# Altium PCB wardriver-pcb.PcbDoc
Units mm, origin at the board's own origin, x right, y up, seen from the top; angles counter-clockwise.
Board outline 58.55 x 52.71 mm, 2 copper layers (Top Layer, Bottom Layer); 41 components, 37 nets, 185 pads, 58 vias.
Unrouted connection lines stored in the file: 2.
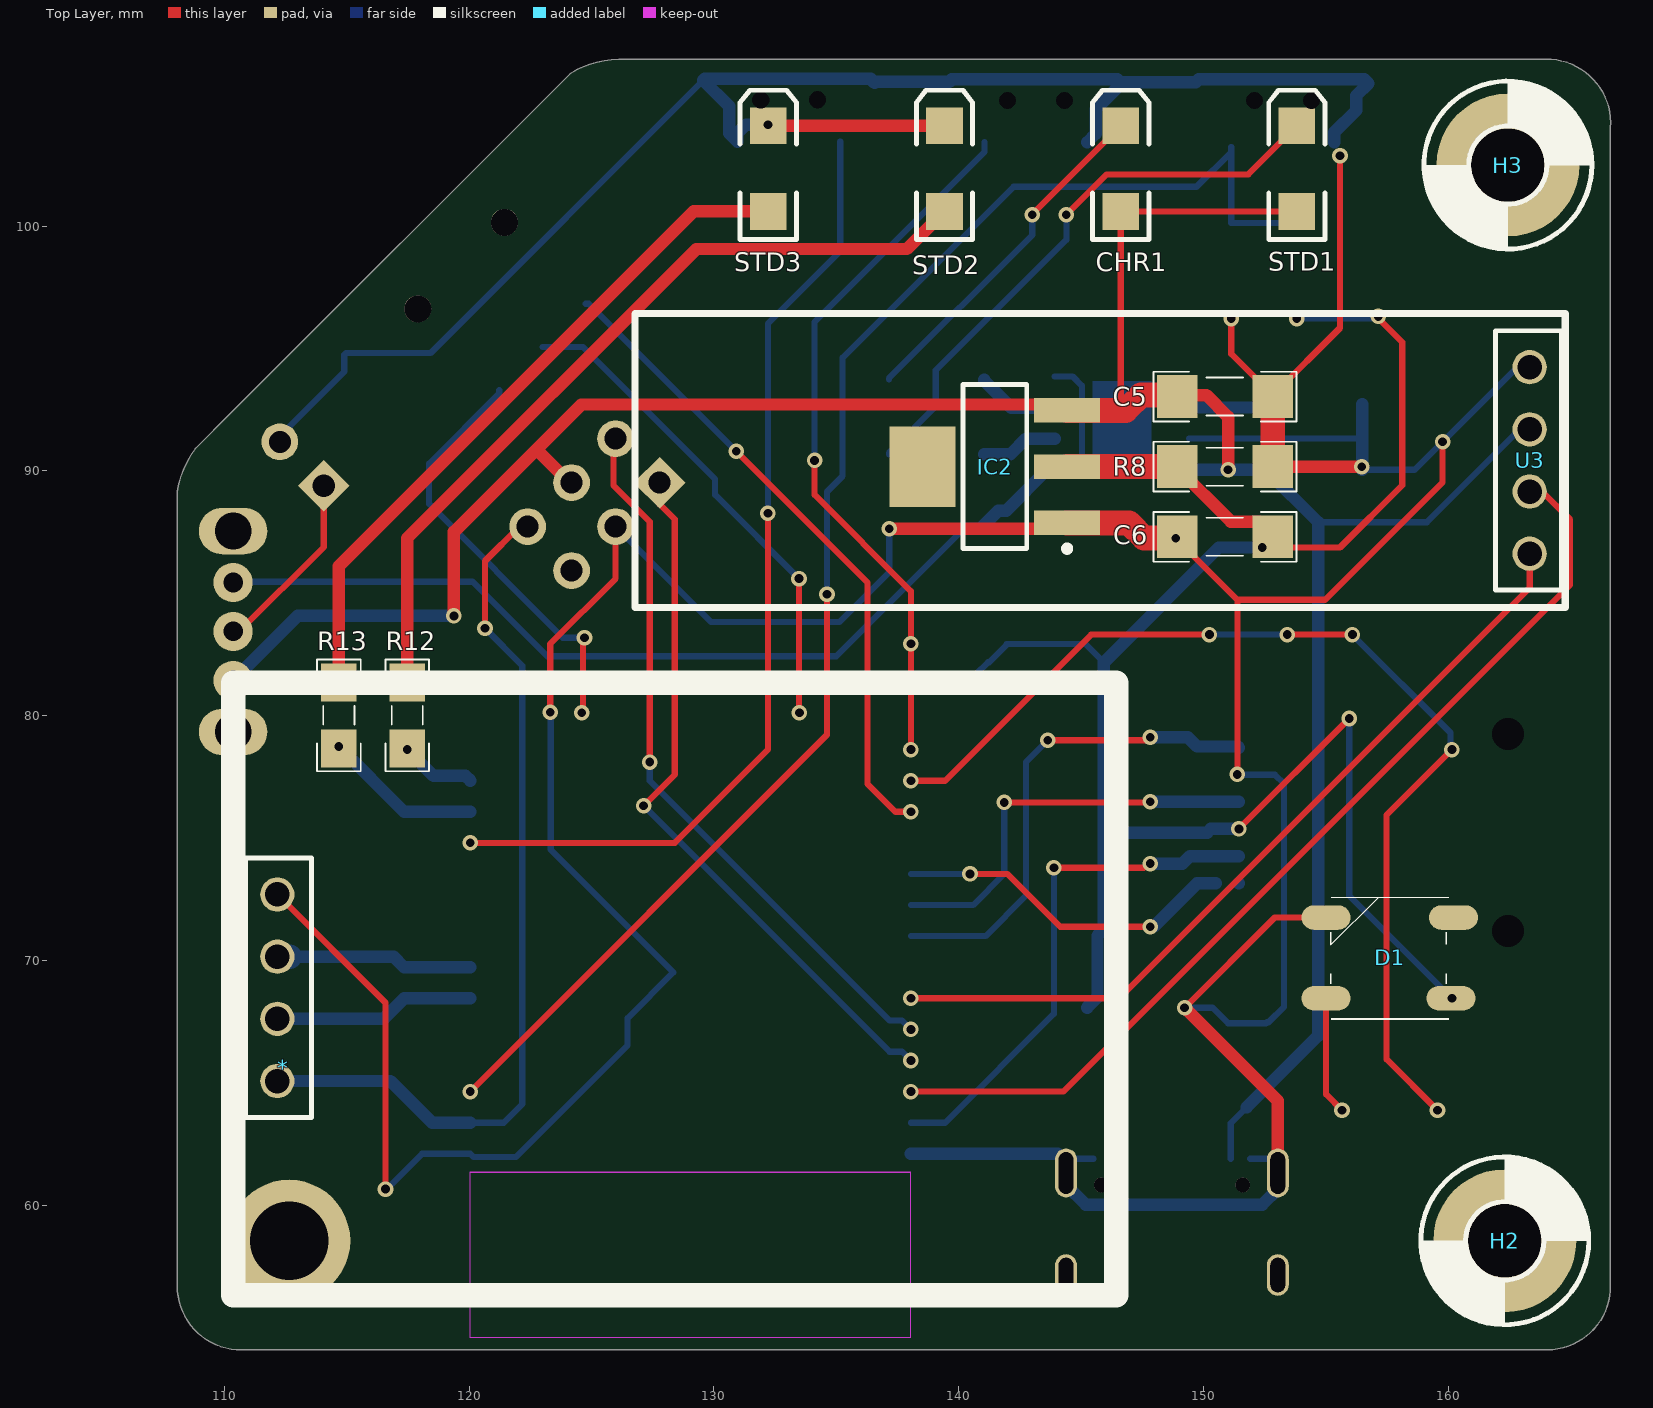
[diagram p0: Top Layer view]
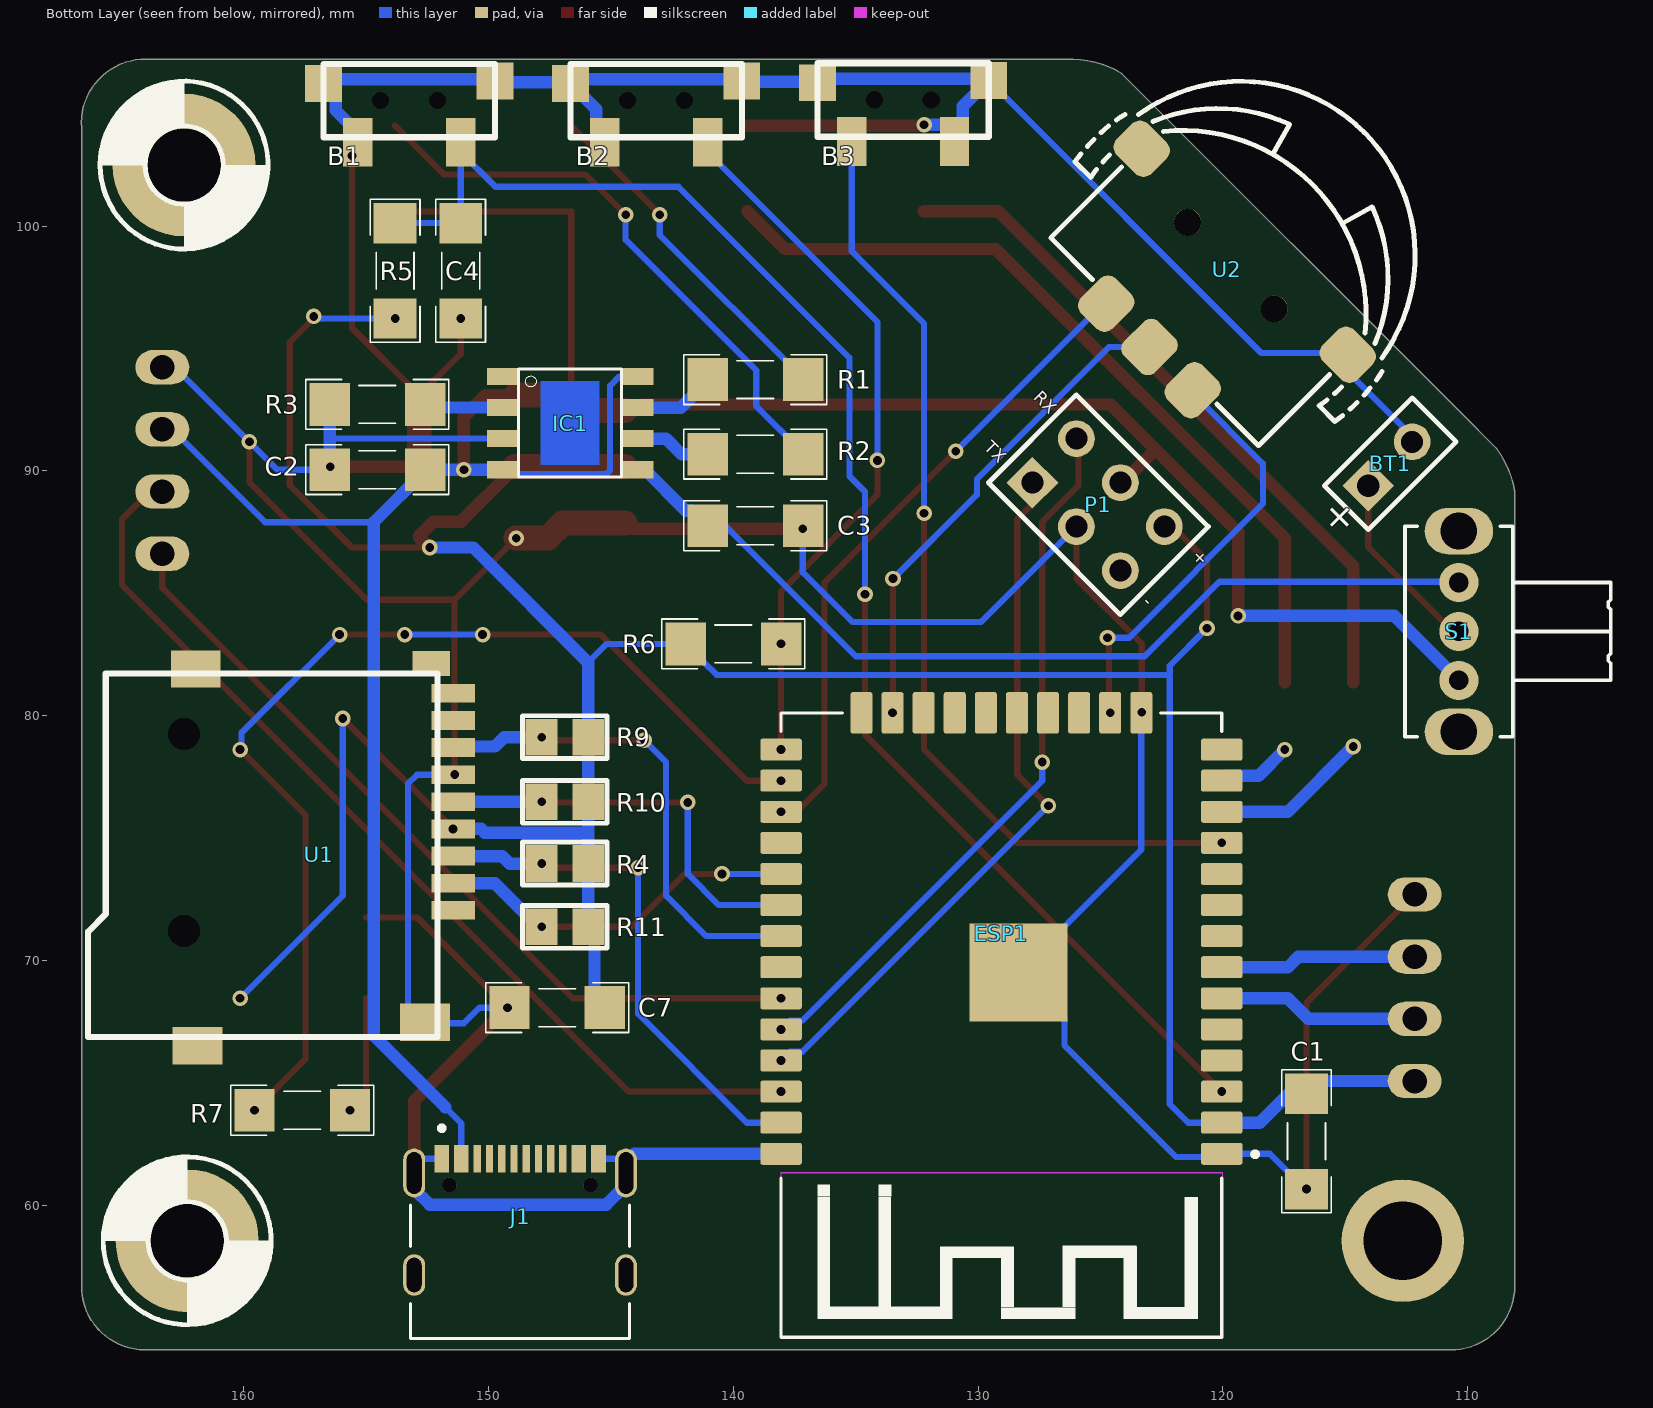
[diagram p1: Bottom Layer view, seen from below]

## Layer stack, top to bottom
Top Solder: solder mask 0.0102, Solder Resist, Dk 3.5
Top Layer: signal copper 0.0356
Dielectric 1: dielectric 0.32, FR-4, Dk 4.8
Bottom Layer: signal copper 0.0356
Bottom Solder: solder mask 0.0102, Solder Resist, Dk 3.5

## Board outline
108.076,56.896 108.076,89.154 cw(c112.125,88.474) 108.822,90.913 110.308,92.399 110.308,92.401 124.138,106.231 cw(c126.138,103.045) 126.11,106.807 126.138,106.807 164.211,106.807 cw(c164.021,104.203) 166.624,104.013 166.624,56.515 cw(c164.02,56.705) 163.83,54.102 110.496,54.102 cw(c110.687,56.705) 108.076,56.705

## Design rules (kind name [scope] priority, off if disabled: settings)
Clearance [All] p1: gap=0.254 ignorepadtopadclearanceinfootprint=FALSE except(0: Arc-Hole Track-Hole SMDPad-Hole THPad-Hole Via-Hole Fill-Hole Poly-Hole Region-Hole Text-Hole)
PolygonConnect [All] p1: connectstyle=Relief reliefconductorwidth=0.254 reliefentries=4 polygonreliefangle="90 Angle" airgapwidth=0.254
RoomDefinition wardriver-sch [InComponentClass('wardriver-sch')] p1: confinementstyle=ConfineIn formatcopy=TRUE lockcomponents=FALSE outline 0,0 50.8,0 50.8,25.4 0,25.4
RoutingVias [All] p1: holewidth=0.711 width=1.27 viastyle="Through Hole" minholewidth=0.711 minwidth=1.27 maxholewidth=0.711 maxwidth=1.27
SolderMaskExpansion [All] p1: expansion=0.102
Width [All] p1: maxlimit=1.016 minlimit=0.254 preferedwidth=0.508 minimp=50.000000 maximp=50.000000 favimp=50.000000
30 further rules are at their usual default settings.

## Components (designator, comment, footprint, x,y, rotation, side; value= is the part's Value field where it differs from the comment)
* "GPS_NEO-6M_MODULE" GPS_NEO-6M 112.169,65.075 r270 top locked
B1 "Button" "PUSH BUTTON SMD" 153.33,105.11 r90 bottom
B2 "Button" "PUSH BUTTON SMD" 143.245,105.11 r90 bottom
B3 "BUTTON" "PUSH BUTTON SMD" 133.16,105.136 r90 bottom
BT1 "Battery" Bat 119.183,70.621 r135 bottom
C1 "100nf" CAPC4817X12N 116.586,62.611 r90 bottom
C2 "0.1uF" CAPC4817X12N 154.539,90.047 r0 bottom
C3 "0.1uF" CAPC4817X12N 139.1,87.757 r180 bottom
C4 "100nf" CAPC4817X12N 151.135,98.171 r90 bottom
C5 "10uf" CAPC4817X12N 150.876,93.035 r180 top
C6 "10uf" CAPC4817X12N 150.876,87.305 r0 top
C7 "0.1uF" CAPC4817X12N 147.193,68.072 r0 bottom
CHR1 "Red" "LED SMD 1206" 146.617,102.347 r90 top
D1 "LED RGB WS2812" "LED 5050 WS2812B" 157.607,70.104 r180 top
ESP1 "ESP-WROOM-32" MODULE_ESP-WROOM-32 129.049,70.358 r0 bottom
H2 "Round Pad" P3.0C 162.306,58.547 r0 top
H3 "Round Pad" P3.0C 162.433,102.489 r0 top
IC1 "TP4056" SOP-8 146.667,91.952 r180 bottom
IC2 "LM1117" MP04A_M 141.478,90.17 r180 top
J1 "TYPE-C-31-M-12" HRO_TYPE-C-31-M-12 148.71,57.15 r180 bottom
P1 "HDR_3X2" MISC_HDR_2X3 127.78,89.517 r225 bottom
R1 "1K" RESC4817X04N 139.1,93.726 r0 bottom
R2 "1K" RESC4817X04N 139.1,90.678 r0 bottom
R3 "1K" RESC4817X04N 154.539,92.714 r0 bottom
R4 "10K" "RES 0805" 147.828,73.956 r270 bottom
R5 "4.7k" RESC4817X04N 153.814,98.171 r270 bottom
R6 "4.7k" RESC4817X04N 139.999,82.931 r0 bottom
R7 "1K" RESC4817X04N 157.607,63.881 r180 bottom
R8 "120R" RESC4817X04N 150.876,90.17 r180 top
R9 "10K" "RES 0805" 147.828,79.121 r270 bottom
R10 "10K" "RES 0805" 147.828,76.48 r270 bottom
R11 "10K" "RES 0805" 147.828,71.374 r270 bottom
R12 "330" RESC3413X04N 117.475,80.01 r90 top
R13 "330" RESC3413X04N 114.681,80.01 r90 top
S1 "1437566-3" "Subminiator SPDT switch" 130.178,121.591 r270 bottom
STD1 "Red" "LED SMD 1206" 153.814,102.347 r90 top
STD2 "Red" "LED SMD 1206" 139.421,102.347 r90 top
STD3 "Red" "LED SMD 1206" 132.224,102.347 r90 top
U1 "SD CARD SPI MODE" "MICRO SD" 152.083,81.723 r270 bottom
U2 "CrescentSwitch" SWCRE_SMD_13X13 119.888,98.171 r225 bottom
U3 "OLED_128X32_0.91 inch" "OLED_128X32_0.91 inch" 163.337,94.249 r180 top locked

## Footprints (in the part's own frame and the unit in brackets; to place one, negate y for a bottom-side part, rotate by r counter-clockwise, add the part's x,y. Pads: shape width x height; smd on the part's side, far side on the other; paste and mask are expansions set on the pad)
Bat [mm]
  rect 1.5x1.5 hole 0.9: 1(16.891,9.652)
  round 1.5 hole 0.9: 2(19.431,9.652)
  silkscreen extent 15.62,8.38 20.7,10.92
CAPC4817X12N [mm] "Chip Capacitor, 2-Leads, Body 4/80x1/70mm, IPC Medium Density-Design:Abbas Basereh"
  rect 1.65x1.75 smd: 1(-1.95,0) 2(1.95,0)
  silkscreen extent -2.92,-1.02 2.92,1.02, body extent -1.6,-0.8 1.6,0.8, height 1
GPS_NEO-6M [mm]
  round 1.4 / inner round 1.4 / far side oval 1.4x2.2 hole 1 mask+0.1: 1(0,0) 2(-2.54,0) 3(-5.08,0) 4(-7.62,0)
  round 5 / inner round 3.5 / far side round 5 hole 3.2 mask+0.1: ""(6.528,0.48)
  Top Layer pour cut-out: 6.463,35.042 5.315,34.813 4.342,34.163 3.691,33.19 3.463,32.042 3.463,32.042 3.691,30.893 4.342,29.92 5.315,29.27 6.463,29.042 6.463,29.042 7.963,29.443 9.061,30.542 9.463,32.042 9.463,32.042 9.235,33.19 8.584,34.163 7.611,34.813 6.463,35.042
  Top Layer pour cut-out: -17.049,31.976 -16.821,30.828 -16.171,29.855 -15.197,29.205 -14.049,28.976 -14.049,28.976 -12.901,29.205 -11.928,29.855 -11.278,30.828 -11.049,31.976 -11.049,31.976 -11.451,33.476 -12.549,34.574 -14.049,34.976 -14.049,34.976 -15.197,34.748 -16.171,34.098 -16.821,33.124 -17.049,31.976
  Top Layer pour cut-out: -13.984,-2.585 -12.836,-2.357 -11.863,-1.706 -11.212,-0.733 -10.984,0.415 -10.984,0.415 -11.212,1.563 -11.863,2.536 -12.836,3.187 -13.984,3.415 -13.984,3.415 -15.484,3.013 -16.582,1.915 -16.984,0.415 -16.984,0.415 -16.756,-0.733 -16.105,-1.706 -15.132,-2.357 -13.984,-2.585
  Top Layer pour cut-out: 9.528,0.48 9.3,1.628 8.65,2.602 7.676,3.252 6.528,3.48 6.528,3.48 5.38,3.252 4.407,2.602 3.757,1.628 3.528,0.48 3.528,0.48 3.93,-1.02 5.028,-2.118 6.528,-2.52 6.528,-2.52 7.676,-2.291 8.65,-1.641 9.3,-0.668 9.528,0.48
  Bottom Layer pour cut-out: 6.463,35.042 5.315,34.813 4.342,34.163 3.691,33.19 3.463,32.042 3.463,32.042 3.691,30.893 4.342,29.92 5.315,29.27 6.463,29.042 6.463,29.042 7.963,29.443 9.061,30.542 9.463,32.042 9.463,32.042 9.235,33.19 8.584,34.163 7.611,34.813 6.463,35.042
  Bottom Layer pour cut-out: -17.049,31.976 -16.821,30.828 -16.171,29.855 -15.197,29.205 -14.049,28.976 -14.049,28.976 -12.901,29.205 -11.928,29.855 -11.278,30.828 -11.049,31.976 -11.049,31.976 -11.451,33.476 -12.549,34.574 -14.049,34.976 -14.049,34.976 -15.197,34.748 -16.171,34.098 -16.821,33.124 -17.049,31.976
  Bottom Layer pour cut-out: -13.984,-2.585 -12.836,-2.357 -11.863,-1.706 -11.212,-0.733 -10.984,0.415 -10.984,0.415 -11.212,1.563 -11.863,2.536 -12.836,3.187 -13.984,3.415 -13.984,3.415 -15.484,3.013 -16.582,1.915 -16.984,0.415 -16.984,0.415 -16.756,-0.733 -16.105,-1.706 -15.132,-2.357 -13.984,-2.585
  Bottom Layer pour cut-out: 9.528,0.48 9.3,1.628 8.65,2.602 7.676,3.252 6.528,3.48 6.528,3.48 5.38,3.252 4.407,2.602 3.757,1.628 3.528,0.48 3.528,0.48 3.93,-1.02 5.028,-2.118 6.528,-2.52 6.528,-2.52 7.676,-2.291 8.65,-1.641 9.3,-0.668 9.528,0.48
  Bottom Layer lines w1: -5.08,0 -5.08,0.508
  silkscreen extent -16.27,-1.81 8.75,34.26, body extent -11.6,-1.2 5,24.09, height 8.5
HRO_TYPE-C-31-M-12 [mm]
  rect 0.6x1.14 smd mask+0.05: A1_B12(-3.2,4.75) A4_B9(-2.4,4.75) B1_A12(3.2,4.75) B4_A9(2.4,4.75)
  rect 0.3x1.14 smd mask+0.05: A5(-1.25,4.75) A6(-0.25,4.75) A7(0.25,4.75) A8(1.25,4.75) B5(1.75,4.75) B6(0.75,4.75) B7(-0.75,4.75) B8(-1.75,4.75)
  oval 0.9x2 hole 0.6 slot 1.7 at 90 deg: S1(-4.325,4.17) S2(4.325,4.17)
  oval 0.9x1.7 hole 0.6 slot 1.4 at 90 deg: S3(-4.325,0) S4(4.325,0)
  round 0.6 hole 0.6 unplated: ""(-2.89,3.68) ""(2.89,3.68)
  silkscreen extent -4.47,-2.6 4.47,6.1, body extent -4.47,-2.6 4.47,5.3, height 3.31
"LED 5050 WS2812B" [mm]
  oval 2x1 smd: 1(-2.5,1.65) 2(-2.6,-1.65) 3(2.6,-1.65) 4(2.6,1.65)
  silkscreen extent -2.41,-2.49 2.4,2.51, body extent -2.74,-2.49 2.66,2.51, height 1.6
"LED SMD 1206" [mm]
  rect 1.5x1.5 smd: 1(-1.75,0) 2(1.75,0)
  silkscreen extent -2.9,-1.15 3.2,1.15, body extent -1.65,-0.76 1.65,0.69, height 1.36
"MICRO SD" [mil] "MICRO SD"
  rect 30x70 smd: 1(380.91,25.07) 2(337.29,25.07) 3(293.66,25.07) 4(250.04,25.07) 5(206.41,25.07) 6(162.79,25.07) 7(119.16,25.07) 8(75.54,25.07) 9(31.91,25.07)
  rect 60x80 smd: 6(-7.09,-388.93) 6(560.91,-19.93) 6(598.91,-385.93)
  rect 40x60 smd: 10(-16.09,-9.93)
  round 0 hole 51.18: ""(97.44,-407.48) ""(414.37,-407.48)
  silkscreen extent 0,-562 585,0, body extent -25,-565 609,26, height 73
MISC_HDR_2X3 [mm] "Connector; Header; 3x2 Position"
  rect 1.5x1.5 hole 0.9: 1(0,0)
  round 1.5 hole 0.9: 2(0,2.54) 3(2.54,0) 4(2.54,2.54) 5(5.08,0) 6(5.08,2.54)
  silkscreen extent -1.27,-1.27 6.35,3.81, body extent -1.27,-1.27 6.35,3.81, height 8.38
MODULE_ESP-WROOM-32 [mm]
  rrect22% 1.7x0.9 smd: 1(-9,8.255) 2(-9,6.985) 3(-9,5.715) 4(-9,4.445) 5(-9,3.175) 6(-9,1.905) 7(-9,0.635) 8(-9,-0.635) 9(-9,-1.905) 10(-9,-3.175) 11(-9,-4.445) 12(-9,-5.715) 13(-9,-6.985) 14(-9,-8.255) 25(9,-8.255) 26(9,-6.985) 27(9,-5.715) 28(9,-4.445) 29(9,-3.175) 30(9,-1.905) 31(9,-0.635) 32(9,0.635) 33(9,1.905) 34(9,3.175) 35(9,4.445) 36(9,5.715) 37(9,6.985) 38(9,8.255)
  rect 4x4 smd: 1.1(-0.7,0.845)
  rrect22% 0.9x1.7 smd: 15(-5.715,-9.755) 16(-4.445,-9.755) 17(-3.175,-9.755) 18(-1.905,-9.755) 19(-0.635,-9.755) 20(0.635,-9.755) 21(1.905,-9.755) 22(3.175,-9.755) 23(4.445,-9.755) 24(5.715,-9.755)
  Keep-Out Layer region: 9,9.026 -9.026,9.026 -9.026,15.75 9,15.75
  Keep-Out Layer region: 9,9.012 -9.012,9.012 -9.012,15.75 9,15.75
  Keep-Out Layer region: 9,9.024 -9.024,9.024 -9.024,15.75 9,15.75
  silkscreen extent -10.46,-9.75 9,15.75
MP04A_M [mm] "SOT223, 4-Leads, Body 6.5x3.5mm, Pitch 2.3mm, Lead Span 7mm, IPC Low Density"
  rect 2.7x1 smd: 1(-2.95,2.3) 2(-2.95,0) 3(-2.95,-2.3)
  rect 2.7x3.3 smd: 4(2.95,0)
  silkscreen extent -3.08,-3.35 1.3,3.47, body extent -3.49,-3.24 3.49,3.24, height 1.64
"OLED_128X32_0.91 inch" [mm]
  round 1.4 / inner round 1.4 / far side oval 2.2x1.4 hole 1 mask+0.1: 1(0.015,0.015) 2(0.015,2.555) 3(0.015,5.095) 4(0.015,7.635)
  Bottom Layer lines w1: 0.03,2.57 0.015,2.555 ; 0.015,7.635 -0.062,7.558
  silkscreen extent -1.44,-2.18 36.56,9.83, body extent -1.39,-2.19 36.61,9.81, height 8.3
P3.0C [mil] "MOUNTING PAD 3.0 mm, round, 5.8 mm Diameter"
  round 230 hole 118.11: P(0,0)
  silkscreen extent -135,-135 135,135
"PUSH BUTTON SMD" [mm]
  rect 1.5x1.5 smd: 1(0.712,3.405) 4(0.812,-3.595)
  rect 2x1.2 smd: 2(-1.688,2.005) 3(-1.688,-2.195)
  round 0 hole 0.7: ""(0.012,-1.245) ""(0.02,1.079)
  silkscreen extent -1.49,-3.59 1.51,3.41
"RES 0805" [mm] "RES 0805"
  rect 1.5x1.3 smd: 1(0,0) 2(0,1.9)
  silkscreen extent -0.87,-0.77 0.87,2.68, body extent -0.63,-0.07 0.64,1.97, height 0.6
RESC3413X04N [mm] "Chip Resistor, 2-Leads, Body 3/40x1/30mm, IPC Medium Density-Design:Abbas Basereh"
  rect 1.55x1.45 smd: 1(-1.35,0) 2(1.35,0)
  silkscreen extent -2.29,-0.89 2.29,0.89, body extent -1.25,-0.62 1.25,0.62, height 0.79
RESC4817X04N [mm] "Chip Resistor, 2-Leads, Body 4/80x1/70mm, IPC Medium Density-Design:Abbas Basereh"
  rect 1.65x1.75 smd: 1(-1.95,0) 2(1.95,0)
  silkscreen extent -2.92,-1.02 2.92,1.02, body extent -1.6,-0.8 1.6,0.8, height 1
SOP-8 [mm]
  rect 1.3x0.7 smd: 1(-2.75,1.905) 2(-2.75,0.635) 3(-2.75,-0.635) 4(-2.75,-1.905) 5(2.75,-1.905) 6(2.75,-0.635) 7(2.75,0.635) 8(2.75,1.905)
  Top Layer region: 1.2,-1.7 -1.2,-1.7 -1.2,1.7 1.2,1.7
  silkscreen extent -2.1,-2.2 2.1,2.2
"Subminiator SPDT switch" [mm]
  round 1.6 hole 0.8: 1(40.152,19.815) 2(38.152,19.815) 3(36.152,19.815)
  oval 1.9x2.8 hole 1.5: M2(34.052,19.815) M2(42.252,19.815)
  silkscreen extent 33.85,17.61 42.45,26.02, body extent 33.84,17.54 42.45,25.91, height 4.7
SWCRE_SMD_13X13 [mm] "SWITCH, CRESCENT, 13X13mm, SMD"
  rrect50% 2x1.8 smd: 1(-5.95,1.1) 5(5.95,1.1)
  rrect50% 1.8x2 smd: 2(-2.5,-4.4) 3(0,-4.4) 4(2.5,-4.4)
  round 1.1 hole 1.1: ""(-2.5,0.3) ""(2.5,0.3)
  silkscreen extent -7.6,-4.1 7.6,8, body extent -7.1,-4.04 6.96,8.04, height 2.38

## Part data
B1 B2 B3: library part "PUSH BUTTON RIGHT", "PUSH BUTTON"
C1 C2 C3 C4 C5 C6 C7: library part "CAP SMD 1206", "CAP 1206", Data=16-12-2016, Desc.="CAP SMD 1206", Designer="Abbas Basereh"
CHR1 STD1 STD2 STD3: library part LED, "LED", Adding Date=1387/12/22, Color=Red, Designer="Saeid Jorablo", Organazation=ControTec, Size="SMD 1206"
D1: "LED"
ESP1: "WiFi 802.11b/g/n/d/e/i Transceiver Module 2.4GHz Surface Mount", Package="Module Olimex LTD", Availability=Unavailable, MF="Olimex LTD", MP=ESP-WROOM-32, Price=None, SnapEDA_Link=https://www.snapeda.com/parts/ESP-WROOM-32/Olimex%20LTD/view-part/2311927/?ref=snap
H2 H3: library part MOUNT-PAD-ROUND, "MOUNTING PAD, round"
IC1: "Complete single cell Li-Ion battery with a constant current / constant voltage linear charger", Package="Package Analog Devices", Availability=Unavailable, MF="NanJing Top Power ASIC Corp.", MP=TP4056, Price=None, SnapEDA_Link=https://www.snapeda.com/parts/TP4056%20/NanJing%20Top%20Power%20ASIC%20Corp./view-part/2888426/?ref=snap
IC2: library part LM1117IMP-x.x, "x.x Volt, 800mA Low-Dropout Linear Regulator, 4-pin SOT-223", Manufacturer="National Semiconductor", PackageTopMarking=XYTT*N05B, PartNumber=LM1117IMP-3.3, PowerWise=N, Supplier Part Number 1=7614123, Code_IPC=SOT223-4, Code_JEDEC=TO-261-AA, ComponentLink1Description="LM1117 Datasheet", ComponentLink1URL=http://www.national.com/ds/LM/LM1117.pdf, ComponentLink2Description="LM1117 Web Page", ComponentLink2URL=http://www.national.com/pf/LM/LM1117.html, ComponentLink3Description="MP04A Package Page", ComponentLink3URL=http://www.national.com/packaging/folders/mp04a.html, CompType="LDO IC", DatasheetVersion=Apr-2006, PackageDescription="Molded SOT-223, 6.50 x 3.56 x 1.6mm Body, 4 Lead, 2.3mm Pitch", PackageReference=MP04A, PackageVersion="revB, Apr-2003", PinCount=4, Published=4-Dec-2008, Publisher="Altium Limited", RoHS=N, Supplier 1=Farnell
J1: "USB Connectors 24 Receptacle 1 8.94*7.3mm RoHS", Package=Package, Availability="Not in stock", Check_prices=https://www.snapeda.com/parts/TYPE-C-31-M-12/HRO+Electronics+Co.%252C+Ltd./view-part/?ref=eda, MF="HRO Electronics Co., Ltd.", MP=TYPE-C-31-M-12, Price=None, SnapEDA_Link=https://www.snapeda.com/parts/TYPE-C-31-M-12/HRO+Electronics+Co.%252C+Ltd./view-part/?ref=snap
P1: "Header, 3-Pin, Dual row", Max Current=mA, Category=Headers, Company="SJ Libraries", ComponentLink1Description=Datasheet, ComponentLink2Description=Reference, Designer="Eng. Saeid Jorablo", HelpURL=http://s3.picofile.com/file/7443264187/Coming_Soon_logo.gif, LatestRevisionDate=17-Jul-2002, Mounting Technology=Through-Hole, Pin Count=6, Publisher="SJ UnLimited", Status=Unreleased, Update=7/8/2012
R1 R2 R3 R5 R6 R7 R8: library part "RES 1206 0.25W", "RES 1206", Data=16-12-2016, Desc.="RES SMD 1206", Designer="Abbas Basereh"
R4 R9 R10 R11: library part RES, "RESISTOR"
R12 R13: library part "RES 0805 0.125W", "RES 0805", Data=16-12-2016, Desc.="RES SMD 0805", Designer="Abbas Basereh"
S1: library part "Subminiator SPDT switch"
U2: library part SWCRE_SMD_13X13, "SWITCH, CRESCENT, 13X13mm, SMD", =https://makatronicteam.com, DESIGN BY=A-SHAMSAEI, PARAM=PARAM, PARAM2=PARAM2
U3: "OLED_128X64_0.96 inch"

## Via types
v1: diameter 0.635, hole 0.356, Top Layer to Bottom Layer, 58 vias

## Nets (pads, with @x,y where several pads share a name; then routed paths per layer and width w, separated by ;. In a path a pad name is that pad's centre, name@x,y a point inside that pad or via, vN(x,y) a via of type N, cw(c..) or ccw(c..) an arc to the next point about the centre after c; other vN are vias at no path point)
3v3: *.1 C1.2 C6.2 C7.1 D1.1 ESP1.2 IC2.2 P1.6 R4.2 R5.2 R6.2 R8.2 R9.2 R10.2 R11.2 U1.4 | length 136.3
  Top Layer w0.254: v1(120.65,83.566) 120.65,86.316 122.055,87.721 P1.6 ; v1@151.446,75.373 v1(155.956,79.883) ; v1(152.397,86.868) 152.438,86.868 155.575,86.868 158.115,89.408 158.115,95.25 157.14,96.225 v1(157.14,96.307)
  Top Layer w0.508: R8.2 148.926,90.12 151.12,87.926 152.255,87.926 152.826,87.355 C6.2 152.826,87.255 C6.2@152.438,86.868
  Top Layer w1.016: IC2.2 R8.2
  Bottom Layer w0.254: ESP1.2 121.412,63.373 122.174,64.135 122.174,81.534 ; v1(120.65,83.566) 122.174,82.042 122.174,81.661 140.679,81.661 141.201,82.183 141.251,82.183 141.949,82.881 R6.2 145.171,82.931 145.928,82.174 ; v1(153.814,96.221) 157.054,96.221 v1(157.14,96.307) ; v1(155.956,79.883) 155.956,72.644 v1(160.147,68.453)
  Bottom Layer w0.508: *.1 116.789,65.075 118.491,63.373 ESP1.2 ; C7.1 145.669,68.498 145.669,71.015 145.928,71.274 R11.2 R4.2 145.928,75.218 ; v1(151.446,75.372) 150.302,75.372 150.148,75.218 145.928,75.218 ; v1(152.397,86.868) 150.622,86.868 145.928,82.174 R9.2 R10.2 145.928,75.218
+5v: C2.1 C5.2 CHR1.1 IC1.4 IC1.8 IC2.3 J1.A4_B9 P1.4 S1.1 STD1.1 U3.2 | length 120.7
  Top Layer w0.254: 146.826,92.47 146.617,92.679 CHR1.1 STD1.1
  Top Layer w0.508: v1(119.38,84.074) 119.38,87.503 122.745,90.868 ; P1.4 124.097,89.517 122.745,90.868 ; IC2.3 144.018,92.47 143.778,92.71 124.587,92.71 122.745,90.868 ; C5.2@148.87,93.091 150.114,93.091 151.003,92.202 v1(151.003,90.047)
  Top Layer w1.016: IC2.3 146.826,92.47 147.447,93.091 C5.2@148.87,93.091
  Bottom Layer w0.254: IC1.8 144.649,93.857 145.034,93.472 145.034,90.019 145.183,89.87 149.241,89.87 IC1.4 ; J1.A4_B9 151.11,63.353 151.765,64.008 ; 154.686,87.9 159.128,87.9 162.922,91.694 U3.2
  Bottom Layer w0.508: S1.1 112.998,84.074 v1(119.38,84.074) ; IC1.4 v1(151.003,90.047) C2.1 152.589,89.997 154.686,87.9 154.686,83.82 154.686,66.929 151.765,64.008
BAT: C3.1 IC1.5 S1.3 | length 38
  Bottom Layer w0.254: S1.3 110.395,85.471 120.142,85.471 123.19,82.423 135.001,82.423 140.335,87.757 C3.1
  Bottom Layer w0.508: C3.1 141.05,87.807 141.621,88.378 141.948,88.378 143.617,90.047 IC1.5
CLK: ESP1.30 R10.1 U1.5 | length 16.9
  Top Layer w0.254: v1(141.859,76.454) 147.802,76.454 v1(147.828,76.48)
  Bottom Layer w0.254: ESP1.30 140.589,72.263 141.859,73.533 v1(141.859,76.454)
  Bottom Layer w0.508: v1(147.828,76.48) U1.5
CS: ESP1.29 R11.1 U1.2 | length 14.1
  Top Layer w0.254: v1(140.462,73.533) 141.986,73.533 144.145,71.374 v1(147.828,71.374)
  Bottom Layer w0.254: ESP1.29 v1(140.462,73.533)
  Bottom Layer w0.508: v1(147.828,71.374) 147.955,71.374 149.733,73.152 150.495,73.152
DO: ESP1.31 R9.1 U1.7 | length 20.1
  Top Layer w0.254: v1(143.637,78.994) 147.701,78.994 v1(147.828,79.121)
  Bottom Layer w0.254: ESP1.31 141.097,70.993 142.748,72.644 142.748,78.105 v1(143.637,78.994)
  Bottom Layer w0.508: v1(147.828,79.121) 149.352,79.121 149.733,78.74 151.403,78.74 U1.7
GND: *.4 B1.2 B2.2 B3.3 BT1.2 C1.1 C2.2 C3.2 C4.1 C5.1 C6.1 C7.2 D1.3 ESP1.1 ESP1.1.1 ESP1.15 ESP1.38 IC1.3 IC2.1 J1.A1_B12 J1.B1_A12 J1.S1 J1.S2 J1.S3 J1.S4 P1.3 R3.2 R8.1 STD2.2 STD3.2 U1.6@151.446,77.588 U1.6@152.589,67.476 U2.5 U3.1 | length 262.2
  Top Layer w0.254: *.4 116.586,68.278 v1(116.586,60.661) ; v1(123.317,80.137) 123.317,82.931 125.984,85.598 P1.3 ; v1(148.869,87.249) 151.384,84.734 ; v1(149.225,68.072) 152.907,71.754 D1.3 ; v1(151.135,96.221) 151.135,94.776 C5.1@152.826,93.085 ; v1(151.384,77.597) 151.384,84.734 ; C5.1 C5.1@152.826,93.085 ; v1(155.575,102.87) 155.575,95.833 C5.1@152.826,93.085 ; v1(159.766,91.186) 159.766,89.535 154.965,84.734 151.384,84.734
  Top Layer w0.508: STD3.2 STD2.2 ; v1(137.16,87.63) 144.188,87.63 IC2.1 ; v1(149.225,68.072) 153.035,64.262 J1.S1 ; R8.1 v1(156.464,90.17)
  Top Layer w1.016: IC2.1 146.953,87.87 147.574,87.249 v1(148.869,87.249) ; R8.1 C5.1
  Bottom Layer w0.254: BT1.2 112.268,91.418 114.903,94.053 U2.5 114.974,94.812 118.429,94.812 129.565,105.948 ; v1(116.586,60.661) 116.636,60.661 118.078,62.103 ESP1.1 120.176,61.976 121.92,61.976 126.476,66.532 126.476,67.64 ESP1.1.1 123.334,74.528 ESP1.15 ; P1.3 129.885,83.82 135.128,83.82 137.16,85.852 v1(137.16,87.63) ; J1.S2@144.385,61.602 144.683,61.9 J1.B1_A12 ; C7.2 v1(149.225,68.072) 150.368,68.072 151.003,67.437 152.55,67.437 152.589,67.476 152.654,67.476 153.289,68.111 153.289,74.676 153.289,77.216 152.917,77.588 U1.6@151.446,77.588 ; IC1.3 156.426,91.317 156.489,91.38 ; J1.A1_B12 152.737,61.9 153.035,61.602 J1.S1 ; C2.2 156.493,90.043 158.623,90.043 v1(159.766,91.186) 162.814,94.234 U3.1
  Bottom Layer w0.508: v1(132.207,104.14) 131.311,104.14 130.965,103.794 B3.3 130.619,103.794 130.619,104.894 129.565,105.948 129.631,106.014 136.399,106.014 136.565,105.848 136.602,105.885 139.613,105.885 139.65,105.922 139.716,105.988 146.484,105.988 146.65,105.822 ; ESP1.38 144.046,62.103 144.385,61.764 144.385,61.602 J1.S2 144.385,60.832 145.195,60.022 152.393,60.022 153.035,60.664 J1.S1 ; B2.2 145.596,103.768 145.596,104.768 146.65,105.822 ; B1.2 155.335,103.822 156.239,104.726 156.239,105.326 156.735,105.822 156.569,105.988 149.801,105.988 149.735,105.922 149.685,105.872 146.7,105.872 146.65,105.822 ; C2.2 156.489,91.38 R3.2
GPIO0: B2.3 ESP1.25 R6.1 | length 29.3
  Top Layer w0.254: v1(134.112,90.424) 134.112,89.027 138.049,85.09 v1(138.049,82.931) v1(138.049,78.613)
  Bottom Layer w0.254: v1(134.112,90.424) 134.112,96.084 141.05,103.022 B2.3
IO4: ESP1.26 R7.1 | length 43.6
  Top Layer w0.254: v1(138.049,77.343) 139.446,77.343 145.415,83.312 v1(150.241,83.312) ; v1(153.416,83.312) v1(156.083,83.312) ; v1(159.557,63.881) 157.48,65.958 157.48,75.946 v1(160.147,78.613)
  Bottom Layer w0.254: v1(150.241,83.312) v1(153.416,83.312) ; v1(156.083,83.312) 160.083,79.311 160.083,78.676 v1(160.147,78.613)
IO13: ESP1.16 U2.4 | length 17.6
  Top Layer w0.254: v1(124.604,80.113) 124.659,80.168 124.659,83.13 v1(124.714,83.185)
  Bottom Layer w0.254: U2.4 121.232,93.165 118.364,90.297 118.364,88.646 123.825,83.185 v1(124.714,83.185)
IO14: ESP1.13 R12.1 | length 3.1
  Bottom Layer w0.508: v1(117.475,78.613) 118.549,77.539 119.853,77.539 ESP1.13
IO15: ESP1.23 U2.3 | length 20.3
  Top Layer w0.254: v1(133.477,85.598) 133.477,80.13 v1(133.494,80.113)
  Bottom Layer w0.254: U2.3 124.65,95.06 130.048,89.662 130.048,89.027 v1(133.477,85.598)
IO16: ESP1.27 U2.2 | length 26.7
  Top Layer w0.254: v1(130.909,90.805) 136.271,85.443 136.271,77.216 137.414,76.073 v1(138.049,76.073)
  Bottom Layer w0.254: U2.2 124.886,96.827 v1(130.909,90.805)
IO17: ESP1.28
IO25: ESP1.10
IO26: B3.2 ESP1.11 | length 39.8
  Top Layer w0.254: v1(120.049,74.803) 128.397,74.803 132.207,78.613 v1(132.207,88.265)
  Bottom Layer w0.254: v1(132.207,88.265) 132.207,96.012 135.165,98.97 B3.2
IO27: ESP1.12 R13.1 | length 6.5
  Bottom Layer w0.508: v1(114.681,78.74) 117.348,76.073 ESP1.12
IO32: ESP1.8
IO33: ESP1.9
IO34: *.2 ESP1.6 | length 8.2
  Bottom Layer w0.508: *.2 116.51,67.615 117.348,68.453 ESP1.6
IO35: *.3 ESP1.7 | length 8.1
  Bottom Layer w0.508: *.3 112.677,70.155 116.916,70.155 117.348,69.723 ESP1.7
MOSI: ESP1.37 R4.1 U1.3 | length 21.4
  Top Layer w0.254: v1(143.891,73.787) 147.556,73.787 147.725,73.956 v1(147.828,73.956)
  Bottom Layer w0.254: ESP1.37 139.446,63.373 143.891,67.818 v1(143.891,73.787)
  Bottom Layer w0.508: v1(147.828,73.956) 149.14,73.956 149.448,74.264 U1.3
NetBT1_1: BT1.1 S1.2 | length 7.6
  Top Layer w0.254: S1.2 110.617,83.439 114.064,86.886 BT1.1
NetCHR1_2: CHR1.2 R1.1 | length 14.3
  Top Layer w0.254: v1(143.002,100.457) 143.002,100.482 CHR1.2
  Bottom Layer w0.254: R1.1 137.15,93.776 143.002,99.628 v1(143.002,100.457)
NetD1_4: D1.4 R7.2 | length 4.8
  Top Layer w0.254: D1.4 155.007,64.531 v1(155.657,63.881)
NetIC1_2: IC1.2 R3.1 | length 3.2
  Bottom Layer w0.508: IC1.2 152.462,92.587 R3.1
NetIC1_6: IC1.6 R2.2 | length 3.1
  Bottom Layer w0.508: R2.2 142.113,90.678 142.752,91.317 IC1.6
NetIC1_7: IC1.7 R1.2 | length 3.4
  Bottom Layer w0.508: R1.2 141.05,93.676 142.143,92.583 143.913,92.583 IC1.7
NetR2_1: R2.1 STD1.2 | length 23.7
  Top Layer w0.254: v1(144.399,100.457) 146.05,102.108 151.825,102.108 STD1.2
  Bottom Layer w0.254: R2.1 137.15,90.728 139.065,92.643 139.065,94.107 144.399,99.441 v1(144.399,100.457)
NetR12_2: R12.2 STD2.1 | length 33.4
  Top Layer w0.508: R12.2 117.475,87.249 129.286,99.06 137.883,99.06 STD2.1
NetR13_2: R13.2 STD3.1 | length 28.3
  Top Layer w0.508: R13.2 114.681,86.106 129.172,100.597 STD3.1
RESET: B1.3 C4.2 ESP1.3 R5.1 | length 61.4
  Top Layer w0.254: v1(120.049,64.643) 134.62,79.214 v1(134.62,84.963)
  Bottom Layer w0.254: v1(134.62,84.963) 134.62,89.154 135.255,89.789 135.255,94.615 142.24,101.6 149.713,101.6 B1.3@151.135,103.022 ; B1.3@151.135,103.222 B1.3@151.135,103.022 ; R5.1 C4.2 B1.3@151.135,103.022
RX_0: ESP1.34 P1.2 | length 29.5
  Top Layer w0.254: P1.2 125.896,91.225 125.896,89.408 127.381,87.923 v1(127.381,78.105)
  Bottom Layer w0.254: v1(127.381,78.105) 127.381,77.34 137.178,67.543 137.689,67.543 v1(138.049,67.183)
SCK: ESP1.36 U3.3 | length 40.3
  Top Layer w0.254: v1(138.049,64.643) 144.272,64.643 164.973,85.344 164.973,88.011 163.83,89.154 U3.3
SDA: ESP1.33 U3.4 | length 33.6
  Top Layer w0.254: v1(138.049,68.453) 146.558,68.453 163.322,85.217 U3.4
SHIELD: H2.P
TX_0: ESP1.35 P1.1 | length 29.2
  Top Layer w0.254: v1(127.127,76.324) 128.397,77.594 128.397,88.019 127.78,88.636 P1.1
  Bottom Layer w0.254: v1(127.127,76.324) 137.178,66.273 137.689,66.273 v1(138.049,65.913)
pads on no net: *. B1. B1.1 B1.4 B2. B2.1 B2.4 B3. B3.1 B3.4 D1.2 ESP1.4 ESP1.5 ESP1.14 ESP1.17 ESP1.18 ESP1.19 ESP1.20 ESP1.21 ESP1.22 ESP1.24 ESP1.32 H3.P IC1.1 IC2.4 J1. J1.A5 J1.A6 J1.A7 J1.A8 J1.B4_A9 J1.B5 J1.B6 J1.B7 J1.B8 P1.5 S1.M2 U1. U1.1 U1.6@161.886,66.511 U1.6@161.962,81.903 U1.8 U1.9 U1.10 U2. U2.1
copper on no net: | length 0
  Bottom Layer w0.508: 151.442,73.152 151.446,73.156

## Silkscreen, mask and mechanical layers (free items; w line width, h text height)
Mechanical 1:
  lines w0.1: 110.308,92.399 108.822,90.913 ccw(c112.125,88.474) 108.076,89.154 108.076,56.896 108.076,56.705 ccw(c110.687,56.705) 110.496,54.102 163.83,54.102 ccw(c164.02,56.705) 166.624,56.515 166.624,104.013 ccw(c164.021,104.203) 164.211,106.807 126.138,106.807 ; 110.308,92.401 124.138,106.231 cw(c126.138,103.045) 126.11,106.807 ; 110.308,109.544 110.308,109.546

## Text inside footprints (layer, text, board x,y; h text height)
BT1: Bottom Overlay "+" at 115.353,87.285 h1.15 r315
P1: Bottom Overlay "+" at 121.285,86.487 h0.5 r45; Bottom Overlay "-" at 123.317,84.582 h0.5 r45; Bottom Overlay "RX" at 127.762,92.964 h0.5 r45; Bottom Overlay "TX" at 129.794,90.932 h0.5 r45